# Altium PCB CarrierPCBDesign.PcbDoc (continued)
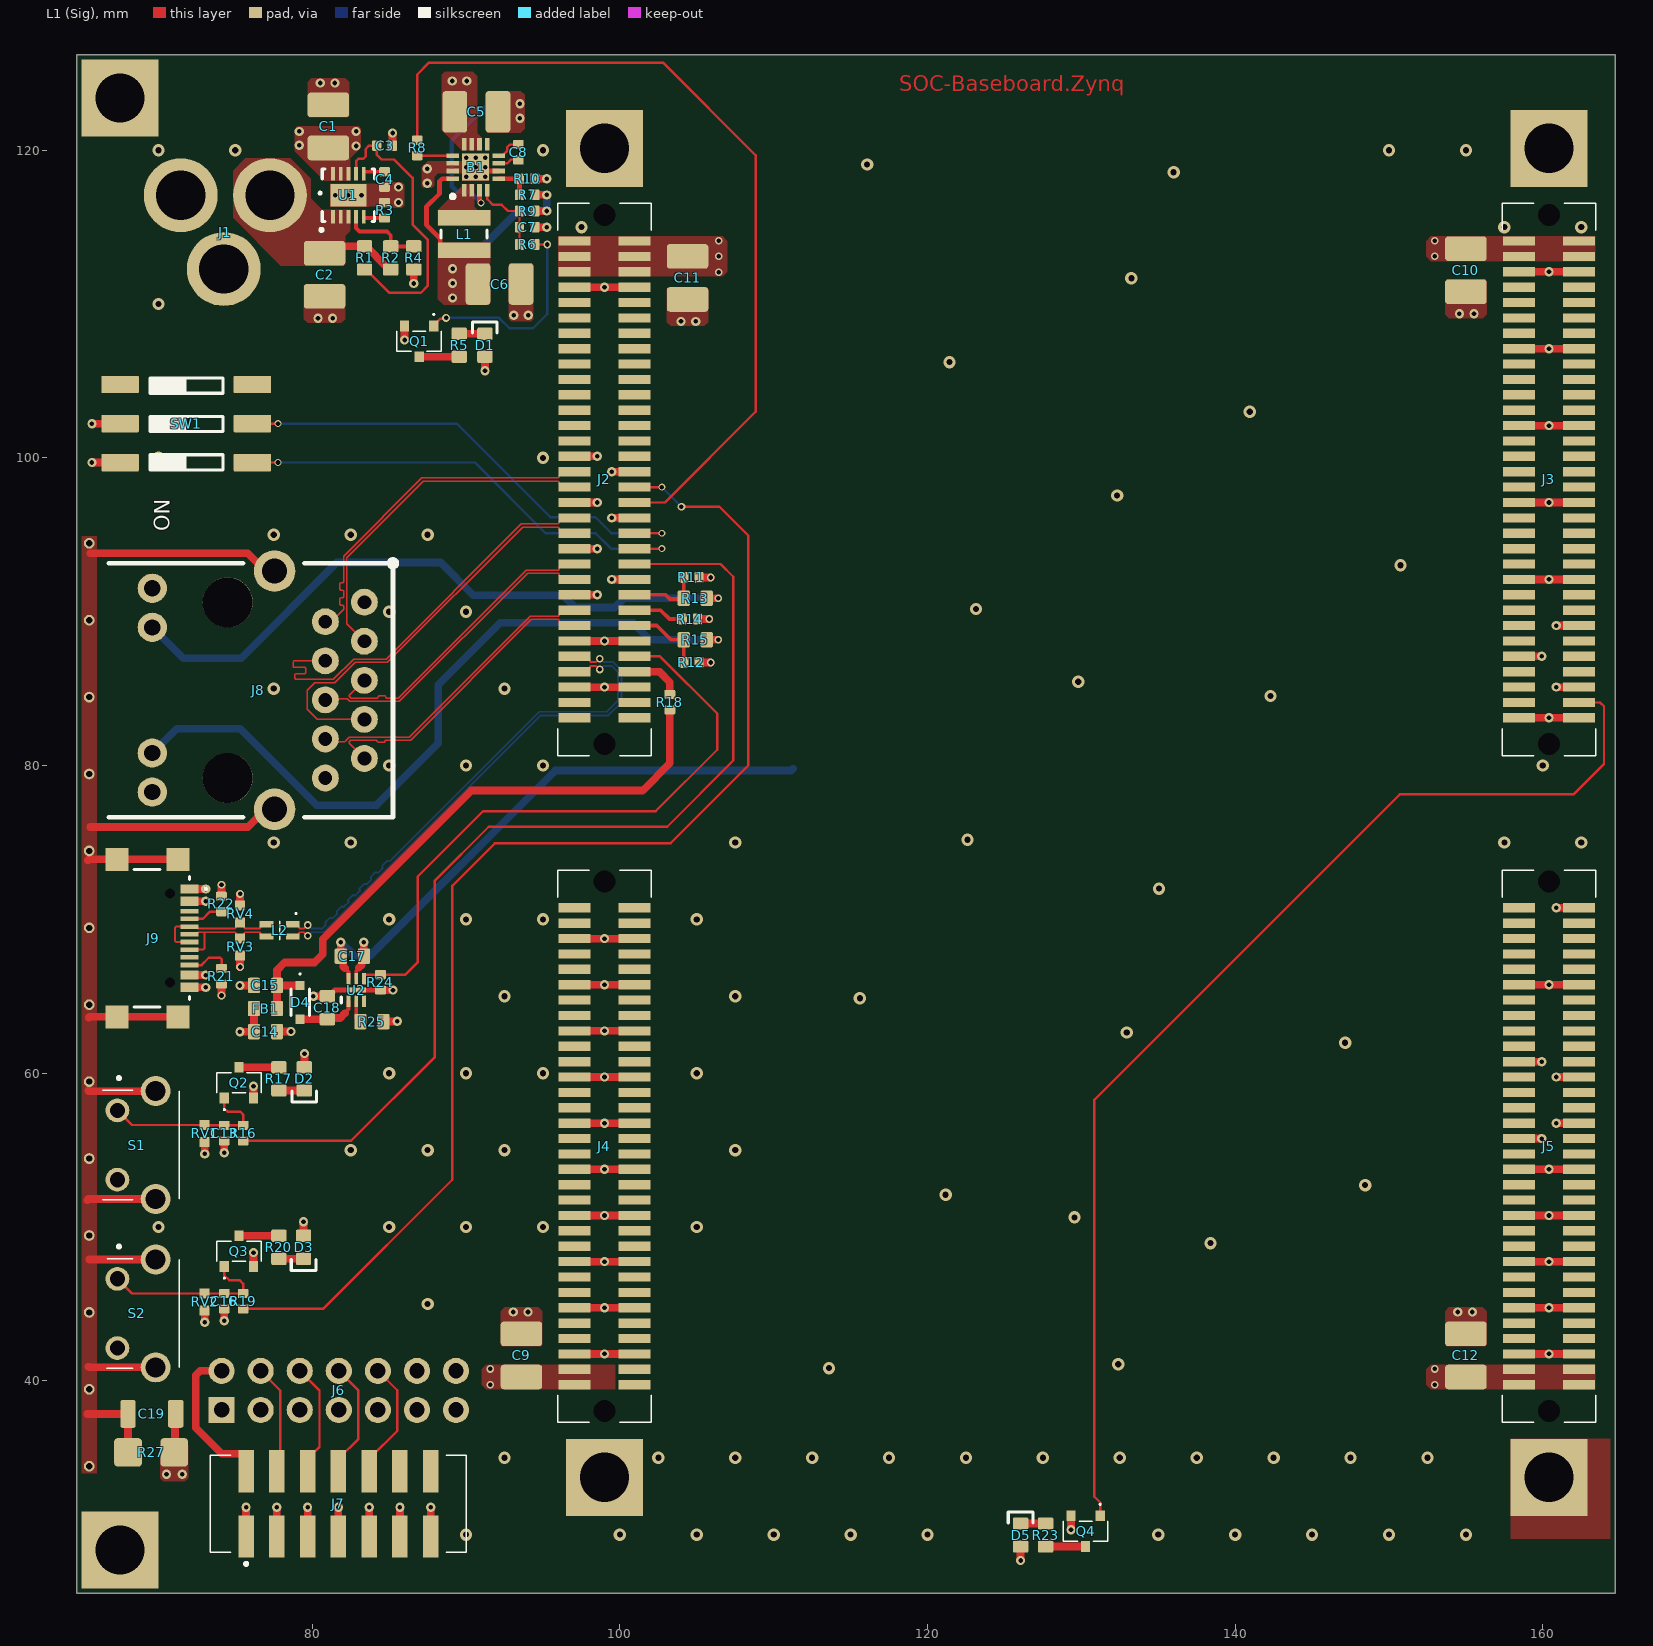
[diagram p0: L1 (Sig) view]
## Footprints (in the part's own frame and the unit in brackets; to place one, negate y for a bottom-side part, rotate by r counter-clockwise, add the part's x,y. Pads: shape width x height; smd on the part's side, far side on the other; paste and mask are expansions set on the pad)
14Pin-TH [mm]
  rect 1.7x1.7 hole 1: 1(4.4,16.015)
  round 1.7 hole 1: 2(6.94,16.015) 3(4.4,13.475) 4(6.94,13.475) 5(4.4,10.935) 6(6.94,10.935) 7(4.4,8.395) 8(6.94,8.395) 9(4.4,5.855) 10(6.94,5.855) 11(4.4,3.315) 12(6.94,3.315) 13(4.4,0.775) 14(6.94,0.775)
219-3LPST [mm]
  rrect10% 1.13x2.44 smd mask+0: 1(-2.54,-4.305) 2(0,-4.305) 3(2.54,-4.305) 4(2.54,4.305) 5(0,4.305) 6(-2.54,4.305)
  silkscreen extent -3.03,-2.39 2.97,2.36, body extent -4.54,-4.95 4.54,4.95, height 4.31
714390164 [mm]
  rect 0.6x2.1 smd mask+0.03: 1(15.5,-1.95) 2(15.5,1.95) 3(14.5,-1.95) 4(14.5,1.95) 5(13.5,-1.95) 6(13.5,1.95) 7(12.5,-1.95) 8(12.5,1.95) 9(11.5,-1.95) 10(11.5,1.95) 11(10.5,-1.95) 12(10.5,1.95) 13(9.5,-1.95) 14(9.5,1.95) 15(8.5,-1.95) 16(8.5,1.95) 17(7.5,-1.95) 18(7.5,1.95) 19(6.5,-1.95) 20(6.5,1.95) 21(5.5,-1.95) 22(5.5,1.95) 23(4.5,-1.95) 24(4.5,1.95) 25(3.5,-1.95) 26(3.5,1.95) 27(2.5,-1.95) 28(2.5,1.95) 29(1.5,-1.95) 30(1.5,1.95) 31(0.5,-1.95) 32(0.5,1.95) 33(-0.5,-1.95) 34(-0.5,1.95) 35(-1.5,-1.95) 36(-1.5,1.95) 37(-2.5,-1.95) 38(-2.5,1.95) 39(-3.5,-1.95) 40(-3.5,1.95) 41(-4.5,-1.95) 42(-4.5,1.95) 43(-5.5,-1.95) 44(-5.5,1.95) 45(-6.5,-1.95) 46(-6.5,1.95) 47(-7.5,-1.95) 48(-7.5,1.95) 49(-8.5,-1.95) 50(-8.5,1.95) 51(-9.5,-1.95) 52(-9.5,1.95) 53(-10.5,-1.95) 54(-10.5,1.95) 55(-11.5,-1.95) 56(-11.5,1.95) 57(-12.5,-1.95) 58(-12.5,1.95) 59(-13.5,-1.95) 60(-13.5,1.95) 61(-14.5,-1.95) 62(-14.5,1.95) 63(-15.5,-1.95) 64(-15.5,1.95)
  round 0.715 hole 1.43 unplated: MH1(-17.2,0) MH2(17.2,0)
  silkscreen extent -17.95,-3.05 17.95,3.05, body extent -17.95,-3.05 17.95,3.05, height 5.31
878321416 [mm]
  rect 1x2.75 smd mask+0.03: 1(-6,-2.125) 2(-6,2.125) 3(-4,-2.125) 4(-4,2.125) 5(-2,-2.125) 6(-2,2.125) 7(0,-2.125) 8(0,2.125) 9(2,-2.125) 10(2,2.125) 11(4,-2.125) 12(4,2.125) 13(6,-2.125) 14(6,2.125)
  silkscreen extent -8.32,-4 8.32,3.15, body extent -8.32,-3.17 8.32,3.17, height 9.05
694106301002_1 [mm]
  round 4.8 hole 3.2 mask+0.03: 1(13.6,3.8) 2(7.8,3.8) 3(10.6,-1)
  silkscreen extent 16.8,3.88 16.93,4, body extent -0.05,-1.22 14.45,8.28, height 10.85
CAP_0402 [mm]
  rrect25% 0.6x0.7 smd: 1(-0.5,0) 2(0.5,0)
  body extent -0.5,-0.26 0.5,0.26, height 0.37
CAP_0603 [mm]
  rrect25% 0.8x1 smd: 1(-0.75,0) 2(0.75,0)
  body extent -0.8,-0.4 0.8,0.4, height 0.51
CAP_1206 [mm]
  rrect25% 1x1.8 smd: 1(-1.55,0) 2(1.55,0)
  body extent -1.6,-0.8 1.6,0.8, height 0.94
CAP_1210 [mm]
  rrect25% 1.6x2.7 smd: 1(-1.4,0) 2(1.4,0)
  body extent -1.6,-1.25 1.6,1.25, height 2.5
DFN3x3_10L [mm]
  rect 0.9x0.25 smd mask+0.03: 1(-1.395,1) 2(-1.395,0.5) 3(-1.395,0) 4(-1.395,-0.5) 5(-1.395,-1) 6(1.395,-1) 7(1.395,-0.5) 8(1.395,0) 9(1.395,0.5) 10(1.395,1)
  rect 1.49x2.35 smd mask+0.03: 11(0,0)
  silkscreen extent -2.3,-1.7 1.7,1.8, body extent -1.55,-1.55 1.55,1.55, height 0.8
DLW21SN121HQ2L [mm]
  rect 0.9x0.4 smd mask+0.03: 1(-0.85,-0.4) 2(-0.85,0.4) 3(0.85,0.4) 4(0.85,-0.4)
  silkscreen extent -1.1,-1.15 0,0.6, body extent -1,-0.6 1,0.6, height 1.4
FB_0603 [mm]
  rrect25% 0.8x1 smd: 1(-0.75,0) 2(0.75,0)
  body extent -0.8,-0.4 0.8,0.4, height 0.81
FSMRA4JH04 [mm]
  round 1.54 hole 0.99: 1(0,0) 2(4.5,0)
  round 1.95 hole 1.3: 3(5.755,2.49) 4(-1.255,2.49)
  silkscreen extent -2.2,-0.95 5.8,4.01, body extent -1.95,-8.35 6.46,4.02, height 6.89
GSB1C41110SSHR [mm]
  rect 0.6x1.15 smd mask+0.03: A1(-3.2,3.39) A4(-2.4,3.39) A9(2.4,3.39) A12(3.2,3.39)
  rect 0.3x1.15 smd mask+0.03: A5(-1.25,3.39) A6(-0.25,3.39) A7(0.25,3.39) A8(1.25,3.39) B5(1.75,3.39) B6(0.75,3.39) B7(-0.75,3.39) B8(-1.75,3.39)
  round 0.325 hole 0.65 unplated: MH1(-2.89,2.13) MH2(2.89,2.13)
  rect 1.5x1.5 smd: MP1(-5.12,2.65) MP2(5.12,2.65) MP3(-5.12,-1.32) MP4(5.12,-1.32)
  silkscreen extent -4.47,-0.22 4.47,4.5, body extent -5.67,-4.15 5.67,3.45, height 3.21
HR911130A [mm]
  round 1.75 hole 0.9: 1(5.72,-8.89) 2(4.45,-6.35) 3(3.18,-8.89) 4(1.91,-6.35) 5(0.64,-8.89) 6(-0.63,-6.35) 7(-1.9,-8.89) 8(-3.17,-6.35) 9(-4.44,-8.89) 10(-5.71,-6.35)
  round 1.9 hole 1.05: 11(6.625,4.9) 12(4.085,4.9) 13(-4.085,4.9) 14(-6.625,4.9)
  round 3.25 hole 3.25 unplated: MH(-5.715,0) MH(5.715,0)
  round 2.7 hole 1.65: SH(-7.745,-3.05) SH(7.745,-3.05)
  silkscreen extent -8.25,-10.95 8.45,7.72, body extent -7.94,-10.49 7.94,10.91, height 13.51
LED_0603_GREEN [mm]
  rrect25% 0.8x1 smd: A(0.75,0) K(-0.75,0)
  silkscreen extent -1.5,-0.8 -0.8,0.8, body extent -0.8,-0.4 0.8,0.4, height 0.6
PMEG1030EJ115 [mm]
  rect 0.6x0.6 smd: 1(-1.1,0) 2(1.1,0)
  silkscreen extent -1.9,-0.6 0.85,0.63, body extent -1.25,-0.63 1.25,0.62, height 0.71
QFN50P300X300X100-17N-D [mm]
  rect 0.8x0.3 smd mask+0.03: 1(-1.5,0.75) 2(-1.5,0.25) 3(-1.5,-0.25) 4(-1.5,-0.75) 9(1.5,-0.75) 10(1.5,-0.25) 11(1.5,0.25) 12(1.5,0.75)
  rect 0.3x0.8 smd mask+0.03: 5(-0.75,-1.5) 6(-0.25,-1.5) 7(0.25,-1.5) 8(0.75,-1.5) 13(0.75,1.5) 14(0.25,1.5) 15(-0.25,1.5) 16(-0.75,1.5)
  rect 1.75x1.75 smd mask+0.03: 17(0,0)
  silkscreen extent -2.02,1.37 -1.78,1.62, body extent -1.5,-1.5 1.5,1.5, height 1
RES_0402 [mm]
  rrect25% 0.6x0.7 smd: 1(-0.5,0) 2(0.5,0)
  body extent -0.5,-0.25 0.5,0.25, height 0.3
RES_0603 [mm]
  rrect25% 0.8x1 smd: 1(-0.75,0) 2(0.75,0)
  body extent -0.8,-0.43 0.8,0.43, height 0.52
RES_1206 [mm]
  rrect25% 1.8x1.84 smd: 1(-1.5,0) 2(1.5,0)
  body extent -1.6,-0.83 1.6,0.83, height 0.57
TBAT54CLM [mm]
  rect 0.6x0.7 smd mask+0.03: 1(-0.95,-1) 2(0.95,-1) 3(0,1)
  silkscreen extent -1.45,-1.8 1.45,0.65, body extent -1.45,-1.2 1.45,1.2, height 0.95
TMLF-6-1_6X1_6 [mm]
  rect 0.75x0.25 smd mask+0.03: 1(-0.74,0.5) 2(-0.74,0) 3(-0.74,-0.5) 4(0.74,-0.5) 5(0.74,0) 6(0.74,0.5)
  rect 0.33x1.26 smd mask+0.03: 7(0,0)
  silkscreen extent -0.83,0.97 -0.47,0.97, body extent -0.83,-0.82 0.83,0.82, height 0.6
VARC1005X41N [mm]
  rect 0.65x0.65 smd mask+0.03: 1(-0.55,0) 2(0.55,0)
  body extent -0.5,-0.25 0.5,0.25, height 0.41
VLS3012 [mm]
  rect 1x3.4 smd mask+0.03: 1(-1.05,0) 2(1.05,0)
  silkscreen extent -0.25,-1.5 0.25,1.5, body extent -1.5,-1.51 1.5,1.51, height 1.2

## Part data
B1: "4A Synchronous Step Down Converter with DCS Control", Manufacturer_Name="Texas Instruments", Mouser Part Number=595-TLV62095RGTR, Datasheet Link=http://www.ti.com/lit/gpn/TLV62095, Geometry.Height=1mm, Manufacturer_Part_Number=TLV62095RGTR, Mouser Price/Stock=https://www.mouser.co.uk/ProductDetail/Texas-Instruments/TLV62095RGTR?qs=f4l5qYp%2Fy%252B5FMQoaGbkQ%252Bg%3D%3D
C1 C2 C5 C6 C9 C10 C11 C12: library part CAP_1210, "Capacitor SMD 1210"
C3 C4 C7 C8 C13 C16: library part CAP_0402, "Capacitor SMD 0402"
C14 C15 C17 C18: library part CAP_0603, "Capacitor SMD 0603"
C19: library part CAP_1206, "Capacitor SMD 1206"
D1 D2 D3 D5: library part LED_0603_GREEN, "LED 0603 GREEN SMD"
D4: "Schottky Diode", Manufacturer_Name=Nexperia, Mouser Part Number=771-PMEG1030EJ-T/R, Arrow Part Number=PMEG1030EJ,115, Arrow Price/Stock=https://www.arrow.com/en/products/pmeg1030ej115/nexperia?utm_currency=USD&region=nac, Datasheet Link=https://assets.nexperia.com/documents/data-sheet/PMEG1030EH_EJ.pdf, Height=0.8mm, Manufacturer_Part_Number=PMEG1030EJ,115, Mouser Price/Stock=https://www.mouser.co.uk/ProductDetail/Nexperia/PMEG1030EJ115?qs=LOCUfHb8d9vmk7P%2FuYbs5A%3D%3D
FB1: library part FB_0603, "Ferrite Bead SMD 0603"
J1: "Connector", Manufacturer_Name="Wurth Elektronik", Mouser Part Number=710-694106301002, Datasheet Link=https://datasheet.datasheetarchive.com/originals/distributors/Datasheets_SAMA/1c153bd2ba42bb51bda59ee4cd9765cd.pdf, Manufacturer_Part_Number=694106301002, Mouser Price/Stock=https://www.mouser.co.uk/ProductDetail/Wurth-Elektronik/694106301002?qs=a9WhcLg8qCwOEkcI62k5mA%3D%3D
J2 J3 J4 J5: "Board to Board & Mezzanine Connectors PMC RECEPTACLE SMT", Manufacturer_Name=Molex, Mouser Part Number=538-71439-0164, Datasheet Link=https://componentsearchengine.com/Datasheets/1/71439-0164.pdf, Height=5.3mm, Manufacturer_Part_Number=71439-0164, Mouser Price/Stock=https://www.mouser.co.uk/ProductDetail/Molex/71439-0164?qs=X1mjqRbeMc7uGUsAO8ttVw%3D%3D
J6: "Connector", Manufacturer_Name=Molex, Manufacturer_Part_Number=87832-1416, Mouser Part Number=538-87832-1416, Datasheet Link=http://uk.rs-online.com/web/p/products/6701077, Height=7.6mm, Mouser Price/Stock=https://www.mouser.co.uk/ProductDetail/Molex/87832-1416?qs=kNSQ05%252BLZoDeXuSWsnDgxQ%3D%3D
J7: "Connector", Manufacturer_Name=Molex, Mouser Part Number=538-87832-1416, Datasheet Link=http://uk.rs-online.com/web/p/products/6701077, Height=7.6mm, Manufacturer_Part_Number=87832-1416, Mouser Price/Stock=https://www.mouser.co.uk/ProductDetail/Molex/87832-1416?qs=kNSQ05%252BLZoDeXuSWsnDgxQ%3D%3D
J8: "100/1000Base-T Magnetics Single-Port RJ45 Connector with Integrated Magnetics and LEDs", Manufacturer=Hanrun, Manufacturer Part Number=HR911130A
J9: "Connector", Manufacturer_Name="Amphenol Communications Solutions", Datasheet Link=https://cdn.amphenol-cs.com/media/wysiwyg/files/drawing/gsb1c41x10sshr-ax1.pdf, Height=3.41mm, Manufacturer_Part_Number=GSB1C41110SSHR
L1: "Inductor", Manufacturer_Name=TDK, Mouser Part Number=810-VLS3012HBX-1R0M, Arrow Part Number=VLS3012HBX-1R0M, Arrow Price/Stock=https://www.arrow.com/en/products/vls3012hbx-1r0m/tdk?region=nac, Datasheet Link=https://product.tdk.com/system/files/dam/doc/product/inductor/inductor/smd/catalog/inductor_commercial_power_vls3012hbx_en.pdf, Manufacturer_Part_Number=VLS3012HBX-1R0M, Mouser Price/Stock=https://www.mouser.co.uk/ProductDetail/TDK/VLS3012HBX-1R0M?qs=pfd5qewlna4O71VRfcrI8g%3D%3D
L2: "Inductor", Manufacturer_Name="Murata Electronics", Mouser Part Number=81-DLW21SN900SQ2L, Arrow Part Number=DLW21SN900SQ2L, Arrow Price/Stock=https://www.arrow.com/en/products/dlw21sn900sq2l/murata-manufacturing?region=europe, Datasheet Link=https://datasheet.datasheetarchive.com/originals/distributors/Datasheets_SAMA/ece8820704b5ec0ab68e5b2fda1b5649.pdf, Height=1.4mm, Manufacturer_Part_Number=DLW21SN900SQ2L, Mouser Price/Stock=https://www.mouser.co.uk/ProductDetail/Murata-Electronics/DLW21SN900SQ2L?qs=yQ3nQrcaeVsNzdZbwxOhwQ%3D%3D
Q1 Q2 Q3 Q4: "MOSFET (N-Channel)", Manufacturer_Name=Toshiba, Mouser Part Number=757-T2N7002AKLM, Arrow Part Number=T2N7002AK,LM, Arrow Price/Stock=https://www.arrow.com/en/products/t2n7002aklm/toshiba?region=nac, Datasheet Link=http://toshiba.semicon-storage.com/info/docget.jsp?did=29712&prodName=T2N7002AK, Height=1.1mm, Manufacturer_Part_Number=T2N7002AK,LM, Mouser Price/Stock=https://www.mouser.co.uk/ProductDetail/Toshiba/T2N7002AKLM?qs=pzVvXTvk9PzfX4hYglwZ9Q%3D%3D
R1 R2 R4 R5 R13 R15 R17 R20 R23 R25: library part RES_0603, "Resistor SMD 0603"
R3 R6 R7 R8 R9 R10 R11 R12 R14 R16 R18 R19 R21 R22 R24: library part RES_0402, "Resistor SMD 0402"
R27: library part RES_1206, "Resistor SMD 1206"
RV1 RV2 RV3 RV4: "ESD Diode", Manufacturer_Name=Bourns, Mouser Part Number=652-CG0402MLU-3.3G, Arrow Part Number=CG0402MLU-3.3G, Arrow Price/Stock=https://www.arrow.com/en/products/cg0402mlu-3.3g/bourns?utm_currency=USD&region=nac, Datasheet Link=https://www.bourns.com/docs/Product-Datasheets/MLU.pdf, Height=0.41mm, Manufacturer_Part_Number=CG0402MLU-3.3G, Mouser Price/Stock=https://www.mouser.co.uk/ProductDetail/Bourns/CG0402MLU-3.3G?qs=m8myXnDJXpWVM8EQWErxtQ%3D%3D
S1 S2: "Switch", Manufacturer_Name="TE Connectivity", Mouser Part Number=506-FSMRA4JH04, Arrow Part Number=FSMRA4JH04, Arrow Price/Stock=https://www.arrow.com/en/products/fsmra4jh04/te-connectivity?region=nac, Datasheet Link=http://www.te.com/commerce/DocumentDelivery/DDEController?Action=showdoc&DocId=Customer+Drawing%7F1825027%7FG4%7Fpdf%7FEnglish%7FENG_CD_1825027_G4.pdf%7F1-1825027-1, Height=7.01mm, Manufacturer_Part_Number=FSMRA4JH04, Mouser Price/Stock=https://www.mouser.co.uk/ProductDetail/TE-Connectivity-Alcoswitch/FSMRA4JH04?qs=65SUpkGmTbapQKkEnx7SmQ%3D%3D
SW1: "DIP Switches SPST 3x", Manufacturer=CTS, Manufacturer Part Number=219-3LPST
U1: "18V, 5A eFuse with Programmable Current Limit and Output Voltage Clamp", Manufacturer=Littelfuse, Manufacturer Part Number=LS1205EVD33
U2: "Power Distribution Switch Resistor programmable current limit / – 0.1A to 1.1A 2.5V-5.5V", Manufacturer=Microchip, Manufacturer Part Number=MIC2099-1YMT-TR

## Free pads (board coordinates)
  rect 5x5 hole 3.2 mask+0.03: 12(67.5,29) 12(67.5,123.4) 12(99,120.125) 12(99,33.725) 12(160.4,120.125) 12(160.4,33.725)
  round 0.7 hole 0.4: 13(65.5,94.45) 13(65.5,89.45) 13(65.5,84.45) 13(65.5,79.45) 13(65.5,74.45) 13(65.5,69.45) 13(65.5,64.45) 13(65.5,59.45) 13(65.5,54.45) 13(65.5,49.45) 13(65.5,44.45) 13(65.5,39.45) 13(65.5,34.45)

## Via types
v1: diameter 0.6, hole 0.3, L1 (Sig) to L4 (Sig), tented both sides, 113 vias
v2: diameter 0.8, hole 0.4, L1 (Sig) to L4 (Sig), tented both sides, 91 vias
v3: diameter 0.5, hole 0.3, L1 (Sig) to L4 (Sig), tented both sides, 25 vias
v4: diameter 0.45, hole 0.3, L1 (Sig) to L4 (Sig), tented both sides, 15 vias

## Nets (pads, with @x,y where several pads share a name; then routed paths per layer and width w, separated by ;. In a path a pad name is that pad's centre, name@x,y a point inside that pad or via, vN(x,y) a via of type N, cw(c..) or ccw(c..) an arc to the next point about the centre after c; other vN are vias at no path point)
+3V3: B1.16 C6.2 D1.A D2.A D3.A D5.A J8.11 J8.14 L1.2 R7.2 R9.2 R11.2 R12.2 SW1.5 SW1.6 | length 24.4
  L1 (Sig) w0.3: B1.16 88.451,118.15 88.275,117.974 88.275,117.182 87.425,116.332 87.425,115.15 88.325,114.25 88.325,113.85 88.675,113.5 L1.2
  L1 (Sig) w0.5: v1(65.675,99.7) 65.68,99.695 67.5,99.695 SW1.6 ; v1(65.675,102.225) 65.678,102.228 67.503,102.228 SW1.5 ; v1(79.432,50.338) 79.435,50.335 D3.A ; D2.A 79.493,60.388 79.493,61.268 v1(79.5,61.275) ; D1.A@91.228,106.573 91.228,105.668 v1(91.23,105.665) ; R9.2 v1(95.25,116.05) ; R7.2 v1(95.25,117.1) ; R12.2 v3(105.9,86.7) ; R11.2 v3(105.9,92.225) ; D5.A 126.05,28.32 v1(126.053,28.317)
  L4 (Sig) w0.5: 90.8,113.45 93.4,116.05 v1(95.25,116.05) v1(95.25,117.1)
  other v1: 89.125,110.4 89.125,111.35 89.125,112.3
+3V3FPGA: J6.2 J7.2 | length 10.2
  L1 (Sig) w0.5: J6.2 72.723,40.648 72.425,40.35 72.425,36.95 74.113,35.262 75.538,35.262 75.788,35.012 J7.2@75.788,34.137
+5V0: B1.3 B1.10 B1.11 B1.12 C1.2 C5.2 C9.2 C10.2 C11.2 C12.2 C17.2 J2.1 J2.2 J2.3 J2.4 J2.5 J2.6 J3.1 J3.2 J3.3 J3.4 J4.62 J4.64 J5.61 J5.62 J5.63 J5.64 U1.8 U1.9 U1.10 U2.6 | length 47
  L1 (Sig) w0.25: 82.125,66.825 82.36,66.59 U2.6
  L1 (Sig) w0.3: B1.3 90.875,116.716 90.975,116.616 v4(90.975,116.575)
  L1 (Sig) w0.5: v1(81.855,68.515) 81.857,68.513 C17.2@81.857,67.608 ; C17.2 82.01,67.455 82.01,66.94 82.125,66.825
  L4 (Sig) w0.3: v4(90.975,116.575) 90.25,117.3 89.425,117.3 89.075,117.65 89.075,120.6 91.55,123.075
  L4 (Sig) w0.5: v1(81.855,68.515) 82.72,67.65 83.775,67.65 95.8,79.675 111.125,79.675 111.25,79.8
  other v1: 82.85,120.275 79.15,120.325 79.15,121.225 82.85,121.225 89.1,124.5 90.05,124.5
  other v3: 91.575,39.75 152.975,39.75 91.575,40.775 152.975,40.775 106.425,112.075 106.425,113.1 152.975,113.1 106.425,114.125 152.975,114.125
+5V0_USB: C14.2 FB1.1 J9.A4 J9.A9 | length 17
  L1 (Sig) w0.5: J9.A9 72.028,66.377 73.073,66.377 v1(73.075,66.375) ; J9.A4 72.028,71.178 73.073,71.178 v1(73.075,71.175) ; v1(75.3,62.7) 75.303,62.703 76.208,62.703 C14.2 FB1.1
  L3 (GND) w0.5: v1(73.075,71.175) v1(73.075,66.375) 72.318,66.375 72.025,66.082 72.025,62.993 72.318,62.7 v1(75.3,62.7)
+5V0_USB_FILT: C15.2 D4.1 FB1.2 R18.1 | length 39.1
  L1 (Sig) w0.5: FB1.2 C15.2 ; D4.1 C15.2 ; R18.1 103.25,80.15 101.475,78.375 90.35,78.375 80.675,68.7 80.675,67.725 80.15,67.2 78.225,67.2 77.71,66.685 C15.2
+5V0_USB_SW: C18.2 D4.2 U2.1 | length 3.9
  L1 (Sig) w0.25: 82.125,63.9 82.125,63.925 82.36,64.16 U2.1
  L1 (Sig) w0.5: D4.2 C18.2 81.064,63.584 81.809,63.584 82.125,63.9
B12_IO1N: J5.30
B12_IO1P: J5.7
B12_IO2N: J3.47
B12_IO2P: J3.43
B12_IO3N: J5.21
B12_IO3P: J5.34
B12_IO4P: J3.49
B12_IO5N: J5.10
B12_IO6N: J5.28
B12_IO6P: J3.41
B12_IO7P: J5.19
B12_IO8N: J5.18
B12_IO8P: J5.20
B12_IO9N: J5.26
B12_IO9P: J5.24
B12_IO10N: J5.14
B12_IO10P: J5.16
B12_IO11N: J5.17
B12_IO11P: J5.15
B12_IO12N: J5.13
B12_IO12P: J5.9
B12_IO13P: J3.33
B12_IO14N: J3.37
B12_IO14P: J3.31
B12_IO15N: J3.62
B12_IO15P: J3.60
B12_IO16N: J5.8
B12_IO16P: J5.4
B12_IO17N: J5.6
B12_IO17P: J5.2
B12_IO18N: J5.3
B12_IO18P: J5.5
B12_IO19N: J3.23
B12_IO20N: J3.29
B12_IO20P: J3.27
B12_IO21N: J3.58
B12_IO21P: J3.54
B12_IO22N: J3.39
B12_LED: J3.61 Q4.1 | length 74.8
  L1 (Sig) w0.156: Q4.1 131.225,32.086 130.85,32.461 130.85,33.1 130.85,58.275 150.7,78.125 162,78.125 163.975,80.1 163.975,83.85 163.725,84.1 J3.61
B13_IO3N: J3.12
B13_IO3P: J3.14
B13_IO4N: J3.8
B13_IO4P: J3.10
B13_IO5N: J3.18
B13_IO5P: J3.20
B13_IO7N: J3.30
B13_IO7P: J3.28
B13_IO8N: J3.24
B13_IO8P: J3.22
B13_IO11N: J3.9
B13_IO11P: J3.7
B13_IO13N: J3.11
B13_IO13P: J3.13
B13_IO15N: J3.38
B13_IO15P: J3.42
B13_IO16N: J3.32
B13_IO16P: J3.34
B13_IO17N: J3.40
B13_IO17P: J3.52
B13_IO18N: J3.48
B13_IO18P: J3.44
B13_IO21N: J3.19
B13_IO21P: J3.50
B13_IO22N: J3.17
B13_IO24N: J3.21
B33_IO_L3_N: J4.63
B33_IO_L3_P: J4.61
B33_IO_L4_N: J4.51
B33_IO_L4_P: J4.49
B33_IO_L5_N: J4.57
B33_IO_L5_P: J4.55
B33_IO_L6_N: J4.39
B33_IO_L6_P: J4.37
B34_IO_L3_N: J4.3
B34_IO_L3_P: J4.1
B34_IO_L7_N: J4.16
B34_IO_L7_P: J4.14
B34_IO_L8_N: J4.34
B34_IO_L8_P: J4.32
B34_IO_L9_N: J4.4
B34_IO_L9_P: J4.2
B34_IO_L10_N: J4.10
B34_IO_L10_P: J4.8
B34_IO_L12_N: J4.9
B34_IO_L12_P: J4.7
B34_IO_L13_N: J4.40
B34_IO_L13_P: J4.38
B34_IO_L14_N: J4.46
B34_IO_L14_P: J4.44
B34_IO_L15_N: J4.15
B34_IO_L15_P: J4.13
B34_IO_L16_N: J4.28
B34_IO_L16_P: J4.26
B34_IO_L17_N: J4.21
B34_IO_L17_P: J4.19
B34_IO_L18_N: J4.27
B34_IO_L18_P: J4.25
B34_IO_L19_N: J4.58
B34_IO_L19_P: J4.56
B34_IO_L20_N: J4.33
B34_IO_L20_P: J4.31
B34_IO_L22_N: J4.52
B34_IO_L22_P: J4.50
B34_IO_L23_N: J4.22
B34_IO_L23_P: J4.20
B34_IO_L24_N: J4.45
B34_IO_L24_P: J4.43
B35_IO_L19_N: J2.63
B35_IO_L19_P: J2.61
B35_IO_L23_N: J2.64
B35_IO_L23_P: J2.62
BCK_CN: B1.8 C8.1 | length 1.7
  L1 (Sig) w0.156: B1.8 92.375,119.65 92.668,119.943 92.668,120.193 92.85,120.375 C8.1
BCK_CP: B1.7 C8.2 | length 1.4
  L1 (Sig) w0.156: B1.7 92.675,119.15 92.925,119.4 93.375,119.4 C8.2
BCK_EN: B1.13 R8.1 | length 2.3
  L1 (Sig) w0.156: R8.1 B1.13
BCK_PG: B1.4 C7.2 R6.2 R9.1 | length 5.2
  L1 (Sig) w0.156: B1.4 91.375,116.825 91.75,116.45 92.325,116.45 92.725,116.05 R9.1 C7.2 R6.2
BCK_SW: B1.1 B1.2 L1.1
BOOTMODE_0: J2.39 SW1.2 | length 31.3
  L1 (Sig) w0.156: SW1.2 76.12,102.225 v4(77.775,102.225) ; J2.39 v4(102.725,95.1)
  L4 (Sig) w0.156: v4(77.775,102.225) 89.4,102.225 95.475,96.15 98.4,96.15 99.45,95.1 v4(102.725,95.1)
BOOTMODE_1: J2.41 SW1.1 | length 30.7
  L1 (Sig) w0.156: SW1.1 76.125,99.7 v4(77.775,99.7) ; J2.41 v4(102.725,94.1)
  L4 (Sig) w0.156: v4(77.775,99.7) 90.575,99.7 95.175,95.1 98.425,95.1 99.425,94.1 v4(102.725,94.1)
CARRIER_PG: Q1.1 R6.1 | length 13.6
  L1 (Sig) w0.156: Q1.1 87.9,108.625 88.309,109.034 88.634,109.034 v3(88.7,109.1) ; R6.1 v3(95.275,113.875)
  L4 (Sig) w0.156: v3(88.7,109.1) 92.15,109.1 92.825,108.425 94.35,108.425 95.275,109.35 v3(95.275,113.875)
CGND: C19.2 J8.SH J9.MP1 J9.MP2 J9.MP3 J9.MP4 pad.13 R27.2 S1.3 S1.4 S2.3 S2.4 | length 59.4
  L1 (Sig) w0.5: 65.375,37.85 C19.2 R27.2 ; 65.375,51.75 65.45,51.825 S1.3 ; 65.425,73.85 65.475,73.9 J9.MP3 J9.MP1 ; 65.45,40.925 65.5,40.875 S2.3 ; 65.45,58.875 65.49,58.835 S1.4 ; 65.475,63.625 65.51,63.66 J9.MP4 J9.MP2 ; 65.5,47.9 65.515,47.885 S2.4 ; 65.575,76 75.8,76 76.955,77.155 J8.SH@77.55,77.155 ; 65.575,93.8 75.8,93.8 76.955,92.645 J8.SH@77.55,92.645
ETH_LED0: J2.47 R11.1 R13.1 | length 4.7
  L1 (Sig) w0.25: J2.47 102.975,91.1 103.25,90.825 104.1,90.825 R13.1 R11.1
ETH_LED1: J2.49 R14.2 | length 3.3
  L1 (Sig) w0.25: J2.49 102.65,90.1 103.225,89.525 R14.2
ETH_LED2: J2.51 R12.1 R15.2 | length 5.1
  L1 (Sig) w0.25: J2.51 102.4,89.1 103.325,88.175 R15.2 R12.1
ETH_LED_GR_K: J8.12 R13.2 | length 42.4
  L1 (Sig) w0.5: R13.2 v3(106.4,90.875)
  L4 (Sig) w0.5: J8.12 71.61,86.975 75.375,86.975 81.6,93.2 88.35,93.2 90.475,91.075 96.3,91.075 97.1,90.275 99.675,90.275 100.275,90.875 v3(106.4,90.875)
ETH_LED_YL_K: J8.13 R15.1 | length 47.9
  L1 (Sig) w0.5: R15.1 v3(106.4,88.175)
  L4 (Sig) w0.5: J8.13 71.185,82.4 75.325,82.4 80.3,77.425 84.175,77.425 88.2,81.45 88.2,85.25 92.225,89.275 100.85,89.275 101.95,88.175 v3(106.4,88.175)
ETH_MDI0_N: J2.34 J8.3 | length 23
  L1 (Sig) w0.09: J8.3 82.25,89.22 82.25,93.525 87.22,98.495 96.005,98.495 96.058,98.442 96.058,98.355 96.313,98.1 J2.34
ETH_MDI0_P: J2.32 J8.2 | length 23.1
  L1 (Sig) w0.09: J8.2 81.236,89.35 82.04,90.154 82.04,90.325 82.04,90.37 81.987,90.423 81.846,90.423 81.797,90.472 81.797,90.864 81.846,90.913 81.991,90.913 82.04,90.962 82.04,91.354 81.991,91.403 81.846,91.403 81.797,91.452 81.797,91.844 81.846,91.893 81.987,91.893 82.04,91.945 82.04,92.5 82.04,93.612 87.133,98.705 96.005,98.705 96.058,98.758 96.058,98.845 96.313,99.1 J2.32
ETH_MDI1_N: J2.40 J8.7 | length 27.2
  L1 (Sig) w0.09: J8.7 80.325,83 79.675,83.65 79.675,84.9 80.165,85.39 81.465,85.39 82.79,86.715 84.89,86.715 93.67,95.495 96.005,95.495 96.058,95.442 96.058,95.355 96.313,95.1 J2.40
ETH_MDI1_P: J2.38 J8.4 | length 27.2
  L1 (Sig) w0.09: J8.4 78.803,86.81 78.75,86.757 78.75,86.428 78.803,86.375 79.522,86.375 79.575,86.322 79.575,86.028 79.522,85.975 78.928,85.975 78.875,85.922 78.875,85.67 78.928,85.617 80.007,85.617 80.024,85.6 81.378,85.6 82.703,86.925 84.803,86.925 93.583,95.705 96.005,95.705 96.058,95.758 96.058,95.845 96.313,96.1 J2.38
ETH_MDI2_N: J2.46 J8.6 | length 20
  L1 (Sig) w0.09: J8.6 80.924,84.344 82.269,84.344 82.448,84.165 85.665,84.165 93.995,92.495 96.005,92.495 96.058,92.442 96.058,92.355 96.313,92.1 J2.46
ETH_MDI2_P: J2.44 J8.5 | length 20
  L1 (Sig) w0.09: J8.5 82.418,84.568 82.418,84.493 82.535,84.375 83.789,84.375 84.25,84.375 84.302,84.428 84.302,84.481 84.351,84.53 84.743,84.53 84.792,84.481 84.792,84.428 84.845,84.375 85.38,84.375 85.578,84.375 93.908,92.705 96.005,92.705 96.058,92.758 96.058,92.845 96.313,93.1 J2.44
ETH_MDI3_N: J2.52 J8.9 | length 19.8
  L1 (Sig) w0.09: J8.9 82.392,81.458 82.392,81.532 82.5,81.64 83.643,81.64 84.178,81.64 84.23,81.587 84.23,81.552 84.279,81.503 84.671,81.503 84.72,81.552 84.72,81.587 84.773,81.64 85.111,81.64 86.39,81.64 94.245,89.495 96.005,89.495 96.058,89.442 96.058,89.355 96.313,89.1 J2.52
ETH_MDI3_P: J2.50 J8.8 | length 19.9
  L1 (Sig) w0.09: J8.8 81.039,81.541 82.13,81.541 82.182,81.594 82.182,81.619 82.413,81.85 86.303,81.85 94.158,89.705 96.005,89.705 96.058,89.758 96.058,89.845 96.313,90.1 J2.50
FUSE_EN: C3.2 R1.1 U1.7 | length 18.7
  L1 (Sig) w0.156: U1.7 82.85,119.3 83,119.45 83.325,119.45 83.475,119.6 83.475,120.075 83.7,120.3 C3.2 ; R1.1 83.5,112.25 85.025,110.725 87.05,110.725 87.5,111.175 87.5,114.2 86.525,115.175 86.525,118.2 85.325,119.4 84.5,119.4 84.2,119.7 C3.2@84.2,120.25
FUSE_ILIM: R3.2 U1.5 | length 1.4
  L1 (Sig) w0.25: U1.5 83.35,115.6 R3.2
FUSE_SS: C4.2 U1.6 | length 1.5
  L1 (Sig) w0.25: U1.6 83.35,118.6 C4.2
GND: B1.6 B1.14 B1.15 B1.17 C1.1 C2.1 C3.1 C4.1 C5.1 C6.1 C7.1 C9.1 C10.1 C11.1 C12.1 C13.1 C14.1 C15.1 C16.1 C17.1 C18.1 C19.1 J1.2 J1.3 J2.7 J2.8 J2.30 J2.31 J2.36 J2.37 J2.42 J2.45 J2.48 J2.53 J2.54 J2.59 J2.60 J3.5 J3.6 J3.15 J3.16 J3.25 J3.26 J3.35 J3.36 J3.45 J3.46 J3.51 J3.56 J3.59 J3.63 J3.64 J4.5 J4.6 J4.11 J4.12 J4.17 J4.18 J4.23 J4.24 J4.29 J4.30 J4.35 J4.36 J4.41 J4.42 J4.47 J4.48 J4.53 J4.54 J4.59 J4.60 J5.1 J5.11 J5.12 J5.22 J5.23 J5.29 J5.32 J5.35 J5.36 J5.41 J5.42 J5.47 J5.48 J5.53 J5.54 J5.59 J5.60 J6.1 J6.3 J6.5 J6.7 J6.9 J6.11 J6.13 J7.1 J7.3 J7.5 J7.7 J7.9 J7.11 J7.13 J8.10 J9.A1 J9.A12 pad.12 Q1.2 Q2.2 Q3.2 Q4.2 R3.1 R4.1 R10.1 R14.1 R21.1 R22.1 R24.1 R25.1 R27.1 RV1.1 RV2.1 RV3.1 RV4.1 S1.2 S2.2 U1.11 U2.5 U2.7 | length 163.4
  L1 (Sig) w0.25: U2.5 82.86,66.66 83.025,66.825
  L1 (Sig) w0.3: v4(90.625,118.9) 90.875,118.65 B1.6
  L1 (Sig) w0.33: C18.1 81.085,65.005 81.485,65.405 U2.7 R24.1@84.385,65.405
  L1 (Sig) w0.5: R27.1 71.075,35.4 71.075,37.8 C19.1 ; J9.A12 72.028,65.577 73.073,65.577 v1(73.075,65.575) ; J9.A1 72.028,71.978 73.073,71.978 v1(73.075,71.975) ; v1(73.01,43.805) RV2.1 ; v1(73.01,54.755) RV1.1 ; v3(74.1,65.05) R21.1 ; R22.1 v3(74.1,72.25) ; v1(74.285,43.905) C16.1 ; v1(74.285,54.83) C13.1 ; v1(75.3,65.7) 75.303,65.703 C15.1@76.208,65.703 ; v3(75.31,66.905) RV3.1 ; RV4.1 v3(75.31,71.655) ; J7.1 v1(75.7,31.775) ; v1(76.182,48.338) 76.185,48.335 Q3.2 ; Q2.2 v1(76.185,59.155) ; J7.3 v1(77.7,31.775) ; C14.1@77.713,62.708 v1@78.618,62.708 ; J7.5 v1(79.7,31.775) ; v1(80.075,65) 80.078,65.002 C18.1@80.982,65.002 ; J7.7 v1(81.7,31.775) ; 83.025,66.85 83.21,67.035 83.21,67.455 C17.1 ; v1(83.355,68.515) 83.357,68.513 C17.1@83.357,67.608 ; J7.9 v1(83.7,31.775) ; R24.1@84.437,65.358 84.48,65.4 v1(85.25,65.4) ; R25.1@84.637,63.358 84.645,63.365 85.515,63.365 v1(85.525,63.375) ; C3.1@85.197,120.303 85.213,120.318 85.213,121.113 v1(85.225,121.125) ; v1@85.607,116.602 v1(85.61,116.605) ; v1@85.607,117.603 v1(85.61,117.605) ; J7.11 v1(85.7,31.775) ; Q1.2@86.003,108.573 86.003,107.668 v1(86.005,107.665) ; R4.1@86.603,112.247 86.603,111.343 v1(86.605,111.34) ; J7.13 v1(87.7,31.775) ; C7.1 v1(95.25,115) ; R10.1 v1(95.25,118.15) ; J4.60 v1(99,41.75) J4.59 ; J4.54 v1(99,44.75) J4.53 ; J4.48 v1(99,47.75) J4.47 ; J4.42 v1(99,50.75) J4.41 ; J4.36 v1(99,53.75) J4.35 ; J4.30 v1(99,56.75) J4.29 ; J4.24 v1(99,59.75) J4.23 ; J4.18 v1(99,62.75) J4.17 ; J4.12 v1(99,65.75) J4.11 ; J4.6 v1(99,68.75) J4.5 ; J2.60 v1(99,85.1) J2.59 ; J2.54 v1(99,88.1) J2.53 ; J2.48 v1(98.525,91.1) ; J2.42 v1(98.525,94.1) ; J2.36 v1(98.525,97.1) ; J2.30 v1(98.525,100.1) ; J2.8 v1(99,111.1) J2.7 ; v1(99.475,92.1) J2.45 ; v1(99.475,96.1) J2.37 ; v1(99.475,99.1) J2.31 ; R14.1 v3(105.8,89.525) ; Q4.2 129.325,30.32 v1(129.328,30.317) ; J5.60 v1(160.4,41.75) J5.59 ; J5.54 v1(160.4,44.75) J5.53 ; J5.48 v1(160.4,47.75) J5.47 ; J5.42 v1(160.4,50.75) J5.41 ; J5.36 v1(160.4,53.75) J5.35 ; J5.32 v1(159.925,55.75) ; J5.22 v1(159.925,60.75) ; J5.12 v1(160.4,65.75) J5.11 ; J3.64 v1(160.4,83.1) J3.63 ; J3.56 v1(159.925,87.1) ; J3.46 v1(160.4,92.1) J3.45 ; J3.36 v1(160.4,97.1) J3.35 ; J3.26 v1(160.4,102.1) J3.25 ; J3.16 v1(160.4,107.1) J3.15 ; J3.6 v1(160.4,112.1) J3.5 ; v1(160.875,56.75) J5.29 ; v1(160.875,59.75) J5.23 ; v1(160.875,70.75) J5.1 ; v1(160.875,85.1) J3.59 ; v1(160.875,89.1) J3.51
  other v1: 70.525,33.925 71.55,33.925 93.075,44.475 94.025,44.475 154.475,44.475 155.425,44.475 78.62,62.71 103.975,108.875 104.925,108.875 80.375,109.075 81.325,109.075 93.1,109.275 94.05,109.275 154.575,109.375 155.525,109.375 81.5,117.075 82.35,117.075 83.2,117.075 87.475,117.85 87.475,118.8 93.5,122.075 93.5,123.025 80.525,124.375 81.475,124.375
  other v2: 90,30 100,30 105,30 110,30 115,30 120,30 135,30 140,30 145,30 150,30 155,30 92.5,35 102.5,35 107.5,35 112.5,35 117.5,35 122.5,35 127.5,35 132.5,35 137.5,35 142.5,35 147.5,35 152.5,35 113.6,40.825 132.4,41.075 87.5,45 138.4,48.95 70,50 85,50 90,50 95,50 105,50 129.55,50.625 121.175,52.1 148.45,52.725 82.5,55 87.5,55 92.5,55 107.5,55 85,60 90,60 95,60 105,60 147.15,61.975 132.95,62.65 115.6,64.875 92.5,65 107.5,65 85,70 90,70 95,70 105,70 135.05,72 77.5,75 82.5,75 107.5,75 157.5,75 162.5,75 122.6,75.175 85,80 90,80 95,80 160,80 142.3,84.525 77.5,85 92.5,85 129.8,85.45 85,90 90,90 123.15,90.175 150.75,93.025 77.5,95 82.5,95 87.5,95 132.325,97.55 70,100 95,100 140.95,103 121.425,106.225 70,110 133.25,111.675 97.5,115 157.5,115 162.5,115 136,118.575 116.075,119.075 70,120 75,120 95,120 150,120 155,120
  other v4: 90,118.275 90.625,118.275 91.25,118.275 90,118.9 91.25,118.9 90,119.525 90.625,119.525 91.25,119.525
JTAG_TCK: J6.6 J7.6 | length 7.3
  L1 (Sig) w0.156: J6.6 80.475,39.361 80.475,35.699 79.788,35.012 J7.6@79.788,34.137
JTAG_TDI: J6.10 J7.10 | length 7.8
  L1 (Sig) w0.156: J7.10@83.788,34.137 83.788,35.012 85.525,36.749 85.525,39.391 J6.10
JTAG_TDO: J6.8 J7.8 | length 7.5
  L1 (Sig) w0.156: J6.8 83,39.376 83,36.224 81.788,35.012 J7.8@81.788,34.137
JTAG_TMS: J6.4 J7.4 | length 7.1
  L1 (Sig) w0.156: J6.4 77.925,39.371 77.925,34.35 J7.4
MGT_REFCLK_0_N: J5.33
MGT_REFCLK_0_P: J5.31
MGT_REFCLK_1_N: J5.27
MGT_REFCLK_1_P: J5.25
MGT_RX_0_N: J5.39
MGT_RX_0_P: J5.37
MGT_RX_1_N: J5.45
MGT_RX_1_P: J5.43
MGT_RX_2_N: J5.51
MGT_RX_2_P: J5.49
MGT_RX_3_N: J5.57
MGT_RX_3_P: J5.55
MGT_TX_0_N: J5.40
MGT_TX_0_P: J5.38
MGT_TX_1_N: J5.46
MGT_TX_1_P: J5.44
MGT_TX_2_N: J5.52
MGT_TX_2_P: J5.50
MGT_TX_3_N: J5.58
MGT_TX_3_P: J5.56
NetB1_5: B1.5 R7.1 R10.2 | length 2.4
  L1 (Sig) w0.3: B1.5 R10.2 ; R7.1 R10.2
NetD1_K: D1.K R5.2 | length 1.7
  L1 (Sig) w0.5: R5.2 D1.K
NetD2_K: D2.K R17.2 | length 1.6
  L1 (Sig) w0.5: R17.2 D2.K
NetD3_K: D3.K R20.2 | length 1.6
  L1 (Sig) w0.5: R20.2 D3.K
NetD5_K: D5.K R23.2 | length 1.6
  L1 (Sig) w0.5: D5.K R23.2
NetQ1_3: Q1.3 R5.1 | length 2.6
  L1 (Sig) w0.5: Q1.3 R5.1
NetQ2_3: Q2.3 R17.1 | length 2.6
  L1 (Sig) w0.5: Q2.3 R17.1
NetQ3_3: Q3.3 R20.1 | length 2.6
  L1 (Sig) w0.5: Q3.3 R20.1
NetQ4_3: Q4.3 R23.1 | length 2.6
  L1 (Sig) w0.5: R23.1 Q4.3
NetR2_1: R2.1 R4.2 U1.4 | length 5.4
  L1 (Sig) w0.25: U1.4 82.85,114.95 83.075,114.725 84.85,114.725 85.1,114.475 R2.1 R4.2
PROGRAM_B: J2.33 R19.2 | length 82.3
  L1 (Sig) w0.156: R19.2 80.705,44.68 89.1,53.075 89.1,72.175 91.875,74.95 103.3,74.95 108.35,80 108.35,94.95 106.475,96.825 v3(104,96.825) ; J2.33 v4(102.725,98.1)
  L4 (Sig) w0.156: v4(102.725,98.1) v3(104,96.825)
PROGRAM_B_BT: C16.2 Q3.1 R19.1 RV2.2 S2.1 | length 11.2
  L1 (Sig) w0.156: S2.1 68.285,45.68 RV2.2 C16.2 R19.1 75.51,46.315 75.275,46.55 74.6,46.55 74.285,46.865 Q3.1
PS_SRST: J2.43 R16.2 | length 67.5
  L1 (Sig) w0.156: R16.2 82.53,55.605 87.975,61.05 87.975,72.525 91.475,76.025 103.075,76.025 107.375,80.325 107.375,92.275 106.55,93.1 J2.43
PS_SRST_BT: C13.2 Q2.1 R16.1 RV1.2 S1.1 | length 11.3
  L1 (Sig) w0.156: S1.1 68.285,56.63 RV1.2 73.035,56.605 C13.2 R16.1 75.51,57.315 75.325,57.5 74.5,57.5 74.285,57.715 Q2.1
PWR_JCK: C2.2 J1.1 R1.2 R2.2 U1.1 U1.2 U1.3 | length 5.1
  L1 (Sig) w0.5: C2.2 81.25,113.75 R1.2 83.5,113.75 84.85,112.4 85,112.25 R2.2
SYS_PG: J2.35 R8.2 | length 56.1
  L1 (Sig) w0.156: R8.2 86.825,121.375 86.825,124.925 87.6,125.7 102.8,125.7 108.825,119.675 108.825,103 102.925,97.1 J2.35
USB_CC1: J9.A5 R22.2 | length 2.3
  L1 (Sig) w0.156: J9.A5 72.88,70.03 73.355,70.505 R22.2@74.11,70.505
USB_CC2: J9.B5 R21.2 | length 2.9
  L1 (Sig) w0.156: J9.B5 72.805,67.03 73.275,67.5 74.019,67.5 74.11,67.409 R21.2@74.11,66.805
USB_CPEN: J2.55 R24.2 U2.4 | length 41.8
  L1 (Sig) w0.156: U2.4 83.36,66.358 83.407,66.405 R24.2 86.055,66.405 86.85,67.2 86.85,72.775 91.1,77.025 102.325,77.025 106.325,81.025 106.325,83.375 102.6,87.1 J2.55
USB_D_C_N: J9.A7 J9.B7 L2.4 RV4.2 | length 8.5
  L1 (Sig) w0.122: J9.A7 71.146,68.53 71.075,68.601 71.075,69.459 71.146,69.53 J9.B7 72.45,69.53 72.579,69.401 74.975,69.401 75.046,69.472 75.046,69.541 RV4.2 75.574,69.541 75.574,69.472 75.645,69.401 76.114,69.401 76.575,69.401 76.646,69.472 76.646,69.541 76.785,69.68 L2.4
USB_D_C_P: J9.A6 J9.B6 L2.3 RV3.2 | length 7.7
  L1 (Sig) w0.122: J9.B6 72.032,68.037 72.929,68.037 73,68.108 73,69.159 ; J9.A6 72.45,69.03 72.579,69.159 73,69.159 ; L2.3 76.785,68.88 76.646,69.019 76.646,69.088 76.575,69.159 76.214,69.159 75.645,69.159 75.574,69.088 75.574,69.019 RV3.2 75.046,69.019 75.046,69.088 74.975,69.159 73,69.159
USB_HS_D_N: J2.58 L2.1 | length 33.7
  L1 (Sig) w0.122: L2.1 78.985,69.68 79.124,69.541 79.124,69.472 79.195,69.401 79.44,69.401 79.669,69.63 v3(79.7,69.63) ; J2.58 97.8,86.1 98.039,86.339 98.039,86.408 98.11,86.479 98.44,86.479 98.669,86.25 v3(98.7,86.25)
  L4 (Sig) w0.122: v3(79.7,69.63) 79.731,69.63 79.96,69.401 80.651,69.401 80.825,69.575 80.868,69.618 80.868,69.719 80.86,69.727 80.86,69.801 81.155,70.097 81.229,70.097 81.251,70.075 81.325,70.075 81.62,70.37 81.62,70.444 81.598,70.466 81.598,70.539 81.893,70.835 81.967,70.835 81.989,70.813 82.063,70.813 82.358,71.108 82.358,71.182 82.336,71.204 82.336,71.278 82.632,71.573 82.705,71.573 82.727,71.551 82.801,71.551 83.096,71.846 83.096,71.92 83.075,71.942 83.075,72.016 83.37,72.311 83.444,72.311 83.466,72.289 83.539,72.289 83.835,72.585 83.835,72.658 83.813,72.68 83.813,72.754 84.108,73.049 84.182,73.049 84.204,73.028 84.278,73.028 84.573,73.323 84.573,73.397 84.551,73.419 84.551,73.492 84.846,73.788 84.92,73.788 84.928,73.779 85.029,73.779 85.746,74.496 94.75,83.5 99.158,83.5 99.875,84.217 99.875,86.083 99.479,86.479 98.96,86.479 98.731,86.25 v3(98.7,86.25)
USB_HS_D_P: J2.56 L2.2 | length 33.7
  L1 (Sig) w0.122: L2.2 78.985,68.88 79.124,69.019 79.124,69.088 79.195,69.159 79.44,69.159 79.669,68.93 v3(79.7,68.93) ; J2.56 97.8,87.1 98.039,86.861 98.039,86.792 98.11,86.721 98.44,86.721 98.669,86.95 v3(98.7,86.95)
  L4 (Sig) w0.122: v3(79.7,68.93) 79.731,68.93 79.96,69.159 80.751,69.159 94.85,83.258 99.258,83.258 100.117,84.117 100.117,86.183 99.579,86.721 98.96,86.721 98.731,86.95 v3(98.7,86.95)
USB_ILIM: R25.2 U2.2 | length 1.4
  L1 (Sig) w0.25: U2.2 82.86,63.63 R25.2
USB_PHY_VBUS: J2.57 R18.2 | length 3.4
  L1 (Sig) w0.5: J2.57 102.575,86.1 103.25,85.425 R18.2
pads on no net: B1.9 J2.9 J2.10 J2.11 J2.12 J2.13 J2.14 J2.15 J2.16 J2.17 J2.18 J2.19 J2.20 J2.21 J2.22 J2.23 J2.24 J2.25 J2.26 J2.27 J2.28 J2.29 J2.MH1 J2.MH2 J3.53 J3.55 J3.57 J3.MH1 J3.MH2 J4.MH1 J4.MH2 J5.MH1 J5.MH2 J6.12 J6.14 J7.12 J7.14 J8.1 J8.MH J9.A8 J9.B8 J9.MH1 J9.MH2 SW1.3 SW1.4 U2.3

## Polygon pours and split planes (outlines as drawn)
GND on L1 (Sig) "GND_L01_P028" (solid, pour order 28): 92.25,44.525 92.5,44.775 94.7,44.775 94.95,44.525 94.95,42.35 94.85,42.25 92.35,42.25 92.25,42.35
GND on L1 (Sig) "GND_L01_P027" (solid, pour order 27): 153.65,44.525 153.9,44.775 156.1,44.775 156.35,44.525 156.35,42.35 156.25,42.25 153.75,42.25 153.65,42.35
GND on L1 (Sig) "GND_L01_P026" (solid, pour order 26): 156.35,109.325 156.1,109.075 153.9,109.075 153.65,109.325 153.65,111.5 153.75,111.6 156.25,111.6 156.35,111.5
GND on L1 (Sig) "GND_L01_P025" (solid, pour order 25): 105.75,108.825 105.5,108.575 103.3,108.575 103.05,108.825 103.05,111 103.15,111.1 105.65,111.1 105.75,111
+5V0 on L1 (Sig) "+5V0_L01_P024" (solid, pour order 24): 96,111.8 96,114.4 106.675,114.4 106.975,114.1 106.975,112.1 106.675,111.8 105.65,111.8
+5V0 on L1 (Sig) "+5V0_L01_P023" (solid, pour order 23): 163.4,114.4 163.4,112.8 152.725,112.8 152.425,113.1 152.425,114.1 152.725,114.4 153.75,114.4
+5V0 on L1 (Sig) "+5V0_L01_P022" (solid, pour order 22): 163.4,41.05 163.4,39.45 152.725,39.45 152.425,39.75 152.425,40.75 152.725,41.05 153.75,41.05
+5V0 on L1 (Sig) "+5V0_L01_P021" (solid, pour order 21): 102,41.05 102,39.45 91.325,39.45 91.025,39.75 91.025,40.75 91.325,41.05 92.35,41.05
GND on L1 (Sig) "GND_L01_P019" (solid, pour order 19): 157.9,36.225 157.9,29.725 164.4,29.725 164.4,36.225
GND on L1 (Sig) "GND_L01_P017" (solid, pour order 17): 70.125,33.675 70.325,33.475 71.725,33.475 71.925,33.675 71.925,35.825 70.125,35.825
CGND on L1 (Sig) "CGND_L01_P014" (solid, pour order 14): 66,34 65,34 65,94.9 66,94.9
GND on L1 (Sig) "GND_L01_P013" (solid, pour order 13): 82.15,109.025 81.9,108.775 79.7,108.775 79.45,109.025 79.45,111.2 79.55,111.3 82.05,111.3 82.15,111.2
GND on L1 (Sig) "GND_L01_P012" (solid, pour order 12): 79.7,124.425 79.95,124.675 82.15,124.675 82.4,124.425 82.4,122.25 82.3,122.15 79.8,122.15 79.7,122.25
GND on L1 (Sig) "GND_L01_P011" (solid, pour order 11): 92.775,109.05 92.95,108.875 94.225,108.875 94.375,109.025 94.375,112.55 94.275,112.65 92.875,112.65 92.775,112.55
GND on L1 (Sig) "GND_L01_P009" (solid, pour order 9): 87.775,117.55 87.925,117.7 87.925,118.25 88.175,118.5 89.75,118.5 89.75,118.025 91.5,118.025 91.5,119.775 89.75,119.775 89.75,119.3 87.5,119.3 87.125,118.925 87.125,117.65 87.225,117.55
GND on L1 (Sig) "GND_L01_P008" (solid, pour order 8): 93.55,123.85 93.8,123.6 93.8,121.4 93.55,121.15 91.375,121.15 91.275,121.25 91.275,123.75 91.375,123.85
+3V3 on L1 (Sig) "+3V3_L01_P007" (solid, pour order 7): 88.175,114 88.175,110.325 88.55,109.95 91.475,109.95 91.575,110.05 91.575,114
BCK_SW on L1 (Sig) "BCK_SW_L01_P006" (solid, pour order 6): 90.525,117.8 90.525,116.325 90.75,116.1 91.575,116.1 91.575,115.1 88.175,115.1 88.175,116.1 89.725,117.65 89.725,117.8
+5V0 on L1 (Sig) "+5V0_L01_P004" (solid, pour order 4): 89.725,120 88.425,121.3 88.425,124.9 88.625,125.1 90.425,125.1 90.725,124.8 90.725,121.1 91.025,120.8 91.025,120
GND on L1 (Sig) "GND_L01_P002" (solid, pour order 2): 81.175,117.825 84.3,117.825 84.4,117.925 85.3,117.925 85.825,117.925 85.975,117.775 85.975,116.4 85.825,116.25 84.25,116.25 84.175,116.325 81.175,116.325
+5V0 on L1 (Sig) "+5V0_L01_P001" (solid, pour order 1): 82.475,119.475 83.15,120.15 83.15,121.425 83.025,121.55 79.025,121.55 78.85,121.375 78.85,119.95 80.775,118.025 82.475,118.025 82.475,118.275
PWR_JCK on L1 (Sig) "PWR_JCK_L01_P000" (solid, pour order 0): 74.85,115.6 77.95,112.5 82.05,112.5 82.15,112.6 82.15,114.45 82.475,114.775 82.475,116.125 80.65,116.125 79.9,116.875 79.9,118.15 78.575,119.475 75.65,119.475 74.85,118.675 74.85,117.225
GND on Top Solder "GND_L01_P020" (solid, pour order 20): 157.9,36.225 157.9,29.725 164.4,29.725 164.4,36.225
no net on Top Solder "NONET_L01_P015" (solid, pour order 15): 66,34 65,34 65,94.9 66,94.9
+5V0 on L4 (Sig) "+5V0_L04_P037" (solid, pour order 37): 78.85,119.9 79.625,119.125 85.4,119.125 86.05,119.775 86.05,122.65 86.95,123.55 90.075,123.55 92.425,121.2 95.25,121.2 95.875,121.825 95.875,123.05 96.625,123.8 102.4,123.8 103.05,123.15 103.05,103.525 110.225,96.35 110.225,49.875 101.4,41.05 91.325,41.05 91.025,40.75 91.025,39.75 91.325,39.45 163.4,39.45 163.4,41.05 157.15,41.05 156.35,41.85 156.35,112.5 156.65,112.8 163.4,112.8 163.4,114.4 154.4,114.4 143.4,125.4 80.475,125.4 78.85,123.775 78.85,121.45
CGND on L4 (Sig) "CGND_L04_P040" (solid, pour order 40): 65,34 66,34 66,94.9 65,94.9
+3V3 on L4 (Sig) "+3V3_L04_P036" (solid, pour order 36): 80.7,47.025 84.3,43.425 87.95,43.425 89.1,42.275 89.1,36.225 95.4,29.925 96.475,28.85 126.625,28.85 127.05,28.425 127.05,27.55 126.6,27.1 94.85,27.1 92.85,29.1 86.05,35.9 82.55,35.9 77.375,41.075 77.375,52.6 76.05,53.925 72.875,53.925 71.5,55.3 71.5,59.7 70.7,60.5 68.4,60.5 66.775,62.125 66.775,96.65 65.25,98.175 65.25,103.4 69.675,107.825 82.775,107.825 84.425,109.475 84.425,112.9 85.825,114.3 90.7,114.3 91.575,113.425 91.575,110.3 91.225,109.95 88.375,109.95 88.05,109.625 88.05,107.95 89.525,106.475 91.775,106.475 95.7,102.55 101.675,102.55 106.8,97.425 106.8,93.6 108.275,92.125 108.275,87.15 107.3,86.175 105.875,86.175 105.475,86.575 105.475,87.075 105.65,87.25 106.925,87.25 107.55,87.875 107.55,90.575 106.35,91.775 105.475,91.775 105.25,92 105.25,97.15 101.275,101.125 95.525,101.125 91.975,104.675 70.25,104.675 67.55,101.975 67.55,98.6 68.425,97.725 71.15,97.725 72.25,96.625 72.25,76.225 69.55,73.525 69.55,62.975 71.125,61.4 78.1,61.4 78.75,62.05 80.075,62.05 80.7,61.425
GND on L2 (GND) "GND_L02_P041" (solid, pour order 41): 65,26.5 164.4,26.5 164.4,125.9 65,125.9 65,95.4 66.5,95.4 66.5,33.5 65,33.5
CGND on L2 (GND) "CGND_L02_P038" (solid, pour order 38): 65,34 66,34 66,94.9 65,94.9
GND on L3 (GND) "GND_L03_P042" (solid, pour order 42): 65,26.5 164.4,26.5 164.4,125.9 65,125.9 65,95.4 66.5,95.4 66.5,33.5 65,33.5
CGND on L3 (GND) "CGND_L03_P039" (solid, pour order 39): 65,34 66,34 66,94.9 65,94.9
no net on Bottom Solder "NONET_L01_P015" (solid): 66,34 65,34 65,94.9 66,94.9

## Other copper
L1 (Sig):
  text "SOC-Baseboard.Zynq" at 118.153,123.836 h1
L4 (Sig):
  pour cut-out: 72.15,90.15 72.25,90.25 72.25,79.35 72.1,79.5 68.85,79.5 68.125,80.225 68.125,89.6 68.675,90.15

## Silkscreen, mask and mechanical layers (free items; w line width, h text height)
Top Solder:
  text "SOC-Baseboard.Zynq" at 118.153,123.836 h1
Mechanical 1:
  the board outline again, w0.254
Mechanical 13:
  lines w0.254: 164.675,29.4 164.675,19.875 94.7,19.875 ; 164.675,124.45 164.675,133.975 94.7,133.975 ; 94.7,19.875 94.7,19.875 ; 94.7,19.875 94.7,29.425 ; 94.7,29.425 94.7,124.425 ; 94.7,29.425 164.7,29.425 164.7,124.425 94.7,124.425 ; 94.7,124.425 94.7,133.975 ; 94.7,133.975 94.7,133.975
  text "HS ADC / DA Footprint" at 130.729,131.612 h1.52
  text "Zynq SOC Footprint" at 130.729,122.387 h1.52

## Text inside footprints (layer, text, board x,y; h text height)
D1: Mechanical 13 "+" at 91.833,106.008 h0.5 r270
D2: Mechanical 13 "+" at 78.877,60.947 h0.5 r90
D3: Mechanical 13 "+" at 78.827,49.997 h0.5 r90
D5: Mechanical 13 "+" at 126.658,28.658 h0.5 r270
J8: Mechanical 13 "1" at 84,92.233 h1 r90
SW1: Top Overlay "ON" at 70.735,95.222 h1 r90